# KiCad board RP2350pc_Rev_A.kicad_pcb (continued)
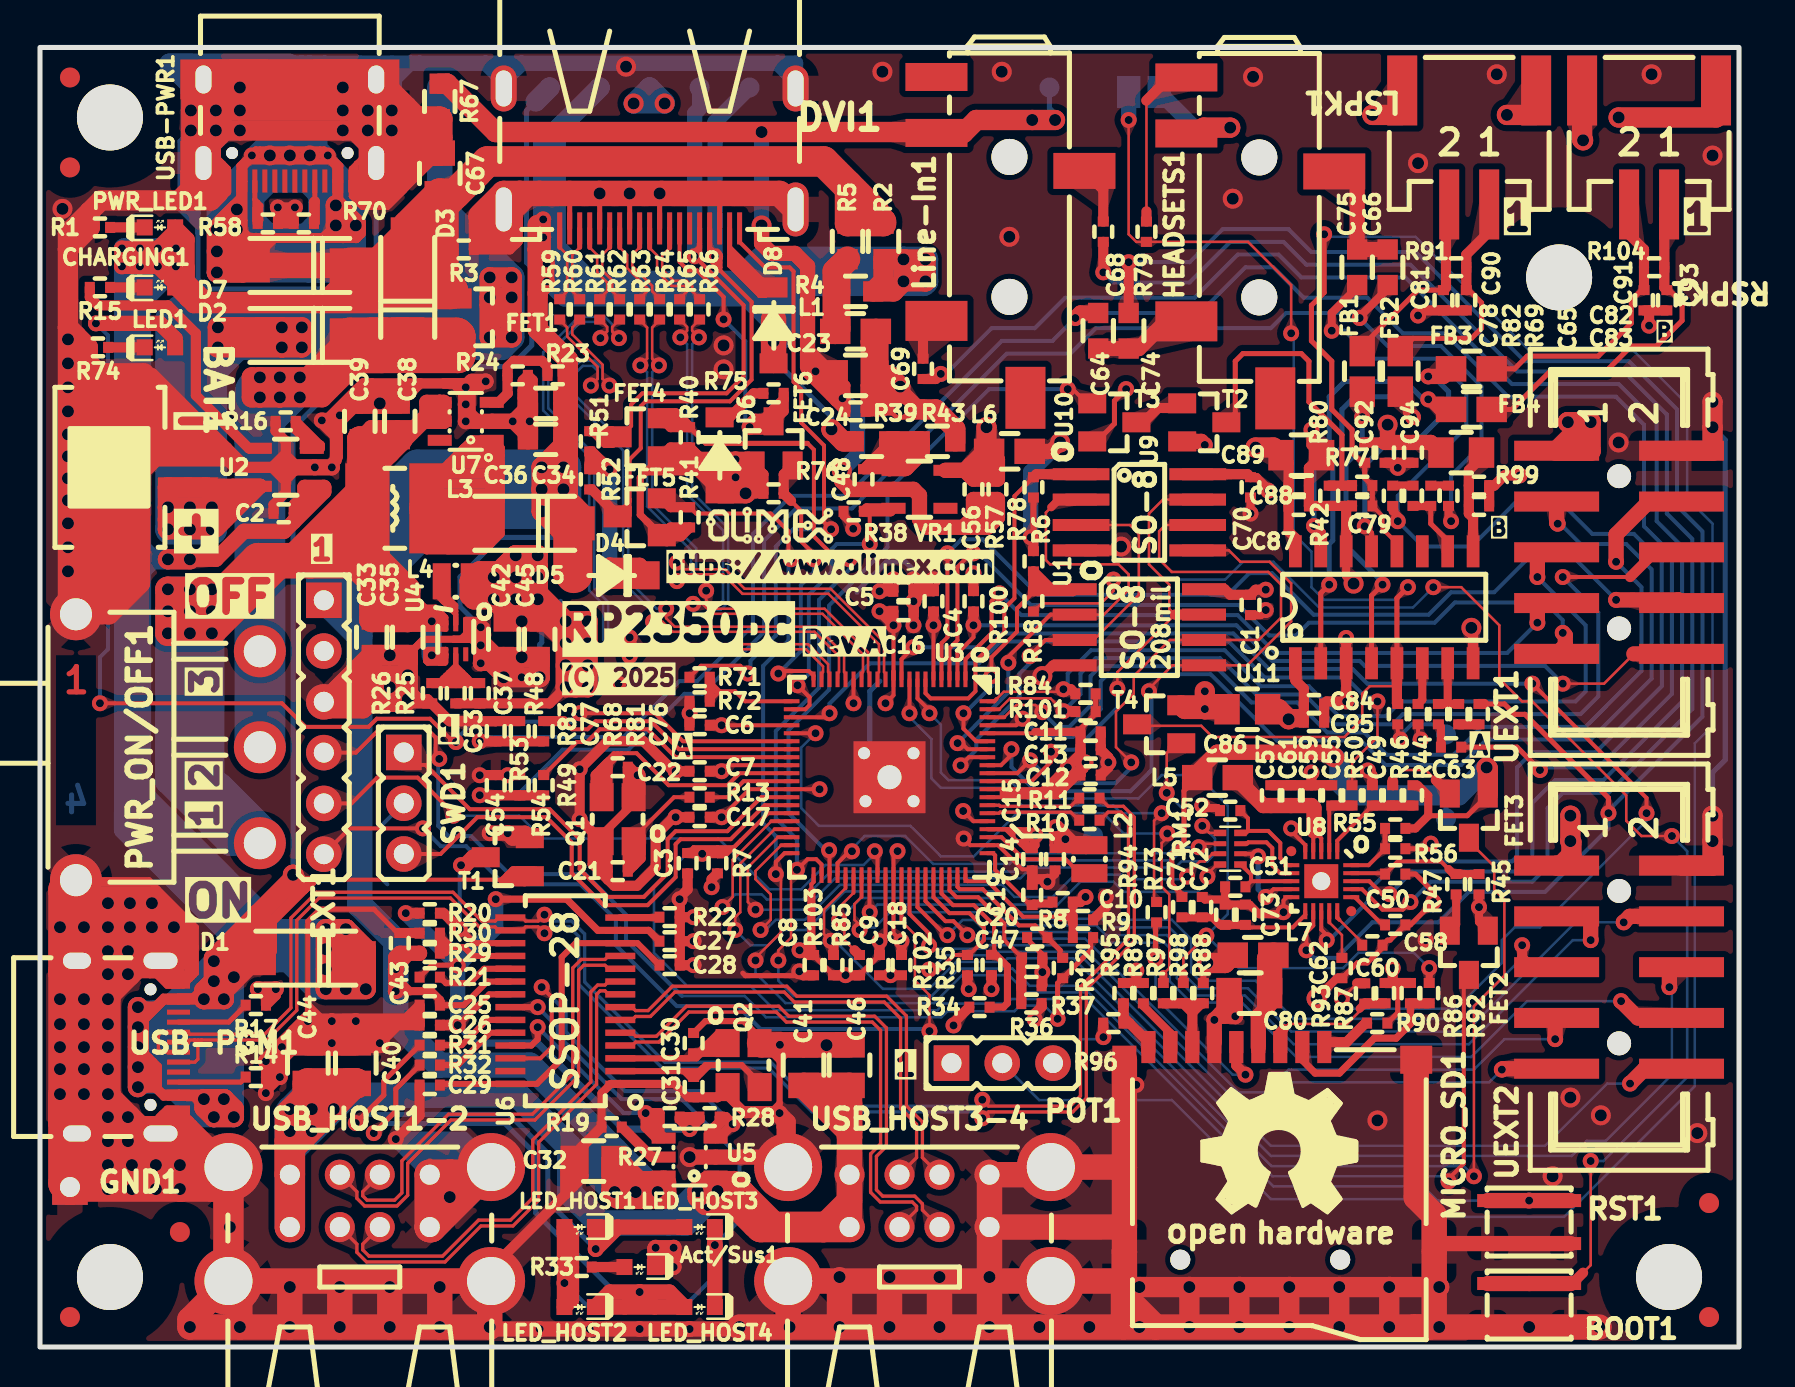
[diagram p0: board, top side]
## Nets (continued)
Net-(U8-CCLK/SCL): C49.1 R44.1 R46.1 U8.1
Net-(U8-CDATA/SDA): C50.1 R45.1 R47.1 U8.19
Net-(U8-CE/AD0): R55.1 R56.1 U8.20
Net-(U8-DACVREF): C62.1 U8.14
Net-(U8-DSDIN): RM1.3.2 U8.9
Net-(U8-DVDD): C57.1 C59.1 C61.1 L5.2 U8.3 U8.4
Net-(U8-LRCK): C51.1 RM1.4.2 U8.8
Net-(U8-MCLK): C55.1 R50.1 U8.2
Net-(U8-MIC1N): C68.2 U8.17
Net-(U8-MIC1P/DMIC_SDA): C69.2 U8.18
Net-(U8-OUTN): C75.2 C78.2 U8.13
Net-(U8-OUTP): C74.2 C76.2 U8.12
Net-(U8-SCLK/DMIC_SCL): C52.1 RM1.1.2 U8.6
Net-(U8-VMID): C58.1 U8.16
Net-(U11-+OUTL): FB1.2 U11.4
Net-(U11-+OUTR): FB3.2 U11.13
Net-(U11--OUTL): FB2.2 U11.2
Net-(U11--OUTR): FB4.2 U11.15
Net-(U11-VREF): C77.1 U11.6
Net-(VR1-VIN): C48.1 R39.2 R43.2 VR1.1

Pads without a net: DVI1 14; FID1 Fid1; FID2 Fid1; FID3 Fid1; FID4 Fid1; FID5 Fid1; FID6 Fid1; HEADSETS1 4; Line-In1 1 4; U4 6; U6 27; U7 6; U8 FID1 FID2; U11 11; USB-PGM1 A8 B8; USB-PWR1 A6 A7 A8 B6 B7 B8; VR1 4

## Via types
v1: diameter 1, hole 0.6, Top to Bottom, 285 vias
v2: diameter 0.8, hole 0.4, Top to Bottom, 326 vias

## Routing (per net, layer and track width the routed paths; a pad name or vN(x,y) marks a point on that pad's centre or on a via; arc(x,y) is an arc through that point)
+3.3V: length 242.1
  Top w0.2: 47.9,25.9 48.73,25.9 ; 47.9,25.9 48.1,25.9 ; 47.9,25.9 U3.64 48.73,25.9 ; 48.73,25.9 48.73,25.67 49.47,24.93 C14.1 ; 48.73,25.9 48.73,25.47 49.1,25.1 ; 48.1,25.9 48.3,25.9 49.1,25.1 ; 48.1,25.9 48.5,25.9 ; C14.1 49.64,24.97 49.2,25.4 ; C14.1 49.27,24.93 ; C14.1 49.4,25.17 49.4,25.9 ; 48.71,25.9 49.4,25.9 ; 48.71,25.9 48.9,25.7 ; 48.71,25.9 48.5,25.9 ; 49.4,25.9 49.5,25.9 v2(49.8,25.6) ; 49.4,25.9 49.7,25.6 ; 48.9,25.7 49.6,25.7 49.7,25.6 ; 48.9,25.7 49.05,25.55 ; U3.50 42.3,20.6 v2(42,20.3) ; 49.05,25.55 49.65,25.55 49.7,25.6 ; 49.05,25.55 49.2,25.4 ; U3.24 v2(34.1,31.1) ; 48.5,25.9 49.27,25.13 49.27,24.93 ; 49.82,24.8 49.38,24.8 49.38,24.82 49.27,24.93 ; U3.76 49.73,30.7 49.79,30.77 ; 49.7,25.6 49.5,25.4 49.2,25.4 ; U3.5 v2(44.7,36.1) ; 51.04,21.5 51.01,21.52 49.18,21.52 47.4,23.3 46.4,23.3 46.3,23.4 U3.60 ; U3.15 v2(40.7,32.2) ; 49.27,24.93 49.1,25.1 ; 48.12,27.5 50.94,27.5 C12.1 ; 48.12,27.5 48.12,27.9 ; 48.12,27.5 U3.68 ; 48.12,27.9 50.33,27.9 v2(51.42,28.99) 51.4,29.01 51.4,29.01 ; 48.12,27.9 U3.69 ; v2(34.1,28.8) 34.4,29.1 U3.29 ; 38.59,22.79 38.59,23.15 38.7,23.26 U3.41
  Top w0.254: C9.1 41,18.61 R85.1 ; C8.1 38.7,19.59 R103.2 ; v2(52.31,29.24) 52.31,28.86 C12.1 ; R84.1 R101.2 52.81,31.68 52.05,30.92 C11.1 ; 67.93,18.21 67.93,16.72 R90.1
  Top w0.305: v1(58.4,19.21) 58.2,19.01 R88.1 ; R78.1 49.7,40.64 v2(49.56,40.5)
  Top w0.356: 30.33,43.77 33.47,43.77 33.6,43.9 ; 30.33,43.77 30.48,43.92 ; 30.33,43.77 30.03,43.47 30.03,41.63 30.38,41.28 ; 33.6,43.9 33.58,43.92 30.48,43.92 ; 33.6,43.9 34.4,43.9 v2(34.8,43.5) ; R41.1 30.67,40.99 30.38,41.28 ; 30.48,43.92 FET4.1 ; 30.38,41.28 FET5.1
  Top w0.406: C11.1 49.79,30.77 ; v2(61.45,42.83) 61.45,42.93 60.88,43.51 C70.2 ; v2(38,19.84) 38.13,19.97 38.59,19.97 ; R8.1 C10.1 ; C10.1 51.54,21.5 51.04,21.5 ; C10.1 R9.1 ; 38.59,19.97 38.59,22.79 ; 38.59,19.97 38.59,19.72 C8.1 ; v2(40.68,40.93) 40.68,41.09 40.2,41.58 R38.1 ; 49.7,25.6 49.7,24.99 C14.1 49.8,25.09 v2(49.8,25.6)
  Top w0.508: 33.47,43.5 33.2,43.77 ; 33.47,43.5 v2(34.8,43.5) 36.04,43.5 36.19,43.65 ; 33.47,43.5 34,42.97 D6.2 ; R40.1 32.51,44.99 33.6,43.9 31.6,43.9 ; R40.1 32.01,44.99 31.11,44.09 ; R40.1 33.09,44.4 v2(34.8,44.4) ; R40.1 31.55,44.99 FET4.1 31.11,44.09 ; v2(46.46,17.9) 46.4,17.96 R102.2 ; v2(38,19.84) 38.14,19.84 38.38,19.61 C8.1 ; D6.2 32.8,43.9 31.6,43.9 ; D6.2 34.4,43.1 36.19,43.1 ; D6.2 R76.1 36.19,43.1 ; D6.2 35.2,42.7 ; 31.6,43.9 31.3,43.9 31.11,44.09 ; C7.1 v2(34.1,28.8) ; R25.2 C37.2 25.49,32.19 v1(26.3,33) 26.3,34.99 C45.1 ; 31.36,40.3 FET5.1 ; FET5.1 32.06,40.55 R41.1 31.55,40.99 FET5.1 ; FET5.1 31.26,40.7 ; C70.2 60.41,43.66 U9.8 ; U1.8 59.26,37.91 59.54,37.62 C1.2 60.81,37.88 v2(61.32,37.88) ; 36.19,43.1 36.19,43.65 ; 54.72,18.21 R89.1 ; 54.72,18.21 R95.1 ; 54.72,18.21 54.85,18.33 v2(54.85,18.83) ; C6.1 v2(34.1,31.1) ; 51.4,29.01 52.05,29.66 C13.1 ; R103.2 R85.1 ; v2(46.7,38.7) R100.2 ; R86.1 R87.1 67.67,18.21 v2(67.67,18.95) ; R6.1 49.7,40.36 v2(49.56,40.5) ; C12.1 51.72,28.61 50.76,27.65 50,27.65 ; C12.1 51.8,28.61 v2(51.42,28.99) 50.09,27.65 50,27.65 ; C12.1 C13.1 ; R8.1 52.05,22.26 v2(52.31,22.51) ; R7.1 33.6,23.4 v2(33.6,23) ; C13.1 C11.1 ; 50,27.65 48.37,27.65 ; C4.1 v2(44.7,36.1) ; 36.19,43.65 FET6.1 ; v2(42,20.3) C9.1 ; v2(42,37.8) 42.1,37.8 v2(42.7,38.4) 42.69,38.39 C5.1 v2(42,37.8)
  Top w0.762: D6.2 v2(34.8,43.5) ; v2(34.8,43.5) 35.16,43.5 FET6.1 35.44,44.4 v2(34.8,44.4) ; v2(34.8,43.5) v2(34.8,44.4) ; v1(51.04,45.24) 50.59,44.8 L6.1 ; v2(34.8,44.4) 31.26,44.4 FET4.1
  Top w1.016: v1(22.7,38.5) 21.7,38.5 L4.1 ; v1(22.7,38.5) v1(24.9,38.5) ; v1(22.7,38.5) 23.25,39.05 ; v1(22.7,38.5) 22.7,38 ; v1(24.9,38.5) 24.9,37.7 v1(26.3,36.3) ; v1(24.9,38.5) 24.9,38 ; v1(24.9,38.5) 24.9,39 ; v1(22.7,37.4) 21.7,37.4 21.5,37.6 L4.1 ; v1(22.7,37.4) 23.2,36.9 ; v1(22.7,37.4) v1(24.9,37.4) ; v1(22.7,37.4) 21.8,38.3 L4.1 ; v1(22.7,37.4) 22.7,38 ; D6.2 v1(35.3,42.7) ; 23.25,39.05 v1(23.8,39.6) ; 23.25,39.05 23.3,39 24.9,39 ; v1(23.8,39.6) v1(24.9,39.6) 24.9,39 ; v1(23.8,39.6) 23,38.8 22,38.8 L4.1 ; v1(24.1,36.3) v1(26.3,36.3) ; v1(24.1,36.3) 23.8,36.6 v1(23.8,38.5) ; v1(24.1,36.3) 23.8,36.3 23.2,36.9 ; v1(26.3,36.3) 26.8,35.8 26.8,33 ; v1(26.3,36.3) v1(27.4,36.3) v1(27.4,33) 26.8,33 ; v1(26.3,36.3) v1(26.3,33) 26.8,33 ; 23.2,36.9 24.39,36.9 24.9,36.39 ; 24.9,38 v1(24.9,37.4) ; 24.9,38 22.7,38 ; UEXT2.1 76.1,24.08 76.61,24.59 76.61,25.25 v1(76.56,25.31) v1(76.56,26.58) ; v1(24.9,37.4) 24.9,36.39 ; v1(24.9,37.4) 25,37.4 26.1,36.3 ; 24.9,36.39 C45.1 ; v1(58.4,19.21) 59.28,19.21 L7.1 ; v1(76.44,46.26) v1(77.58,46.26) 77.58,44.83 UEXT1.1 75.9,44.83 76.69,45.62 76.69,46.01 v1(76.44,46.26)
  In2.Cu w0.762: v2(40.7,32.2) 40.7,37.3 41.2,37.8 v2(42,37.8)
  Bottom w0.762: v1(51.04,45.24) 49.56,43.77 49.56,40.64
  Bottom w1.016: +3.3V1.1 v1(29.7,62.2) v1(31.25,62.2) 31.25,62.25 +3.3V1.1
  vias: v1(23.8,37.4) v1(26.3,35.2) v1(26.3,34.1) v1(27.4,35.2) v1(27.4,34.1) v2(40.3,18.6) v2(49,25.6)
+3.3VA: length 100.7
  Top w0.254: 69.45,26.58 71.4,26.58 72.43,27.6 FET3.1 ; L5.1 57.23,27.82 57.23,25.28 56.62,24.67 56.62,23.15 57.13,22.64 R73.1
  Top w0.406: R55.2 68.82,25.94 69.45,26.58 69.45,27.59 68.94,28.1 68.69,28.1 ; R45.2 v2(71.99,22) 71.99,21.27 FET2.1
  Top w0.762: L5.1 57.89,28.76 58.88,29.75 64.5,29.75 v1(64.75,29.5) ; 47.9,43.9 47.9,44.38 L6.2 47.2,44.8 46.53,44.13 ; 47.9,43.9 R57.1 C56.1 46.26,43.85 ; 47.9,43.9 47.85,43.85 46.53,43.85 ; 46.26,43.85 VR1.5 46.25,43.85 46.53,44.13 ; 46.26,43.85 46.53,43.85 ; 46.53,44.13 46.53,43.85
  Top w1.016: L6.2 47.35,44.93 v1(47.35,46.01) ; v1(72.37,28.99) 72.43,28.93 FET3.1
  In2.Cu w0.508: v2(71.99,22) 71.86,22.13 71.86,28.48 v1(72.37,28.99)
  In2.Cu w1.016: v1(72.37,28.99) 72.37,34.83 73.51,35.97 73.51,42.32 70.85,44.99 70.85,49.05 70.09,49.82 68.82,49.82 67.04,48.04 56.12,48.04 55.01,49.15 50.49,49.15 v1(47.35,46.01)
  Bottom w0.254: 70.47,27.59 70.34,27.46 +3.3VA1.1
  Bottom w1.016: v1(72.37,28.99) 70.97,27.59 65.64,27.59 65.01,28.23 65.01,29.24 v1(64.75,29.5)
+5V: length 304.4
  Top w0.305: C25.1 21.2,17.1 22.38,18.28 U6.20
  Top w0.406: 17.8,18.6 17.8,18.5 18.5,17.8 ; 18.5,17.8 19.57,17.8 20.01,17.36 C25.1 ; 18.5,17.8 v2(17.8,17.8)
  Top w0.508: U5.6 29.55,8.55 v1(28.75,7.75) ; U5.6 29.47,8.55 C32.1 29.3,9.3 30.05,8.55 U5.6 ; U5.6 31.2,8.05 v1(30.9,7.75) ; 18.7,19.7 18.01,19.7 C43.2 18,19.1 v2(17.8,18.9) 18.6,19.7 18.7,19.7 ; 18.7,19.7 R29.2 ; 26.41,48.38 26.16,48.14 ; 26.16,48.14 26.16,49.63 26.1,49.7 26.41,49.38 ; 26.16,48.14 25.93,47.9 25.93,47.46 26.19,47.2 ; R23.1 26.41,47.42
  Top w0.762: v2(25.35,54.2) 25.17,54.38 v2(25.17,56.4) 24.9,56.13 ; v2(25.35,54.2) v2(25.35,53.3) 25.35,53.15 24.9,52.7 25.3,53.1 ; v2(25.35,54.2) 25.35,54.45 24.9,54.9 25.3,54.5 ; v2(17.8,17.8) v2(17.8,18.9) 17.8,19.49 C43.2 18.98,19.69 R29.2
  Top w1.016: v1(25.1,42.9) v1(26.19,42.9) 26.19,42.61 27.1,41.7 ; v1(25.1,42.9) 25.1,42.91 v1(26.19,44) v1(25.1,44) ; v1(25.1,42.9) v1(25.1,41.8) 26.7,40.2 ; v1(25.1,42.9) 26.62,41.38 D4.1 26.7,41.12 26.7,40.2 ; v1(25.1,42.9) v1(25.1,44) ; v1(43.2,53.3) v1(44.3,54.4) ; v1(43.2,53.3) v1(44.3,53.3) v1(44.3,54.4) ; v1(43.2,53.3) v1(43.2,54.4) ; v1(43.2,53.3) 42.7,52.8 41.69,52.8 42.2,53.31 R2.2 43.19,54.41 v1(43.2,54.4) ; v1(44.3,54.4) v1(43.2,54.4) ; 26.19,45.4 26.19,42.6 ; 26.19,45.4 26.19,45.09 v1(25.1,44) ; 26.19,45.4 26.19,47.2 26.41,47.42 ; 26.19,42.6 26.19,38.6 D5.2 26.7,40.2 ; 26.19,42.6 26.75,42.04 D4.1 26.19,41.76 26.19,42.6 ; 24.9,56.13 24.9,50.89 25.4,50.4 ; 25.4,50.4 26.41,49.38 ; 25.4,50.4 26.1,49.7 ; 26.41,49.38 26.41,47.42 ; 26.41,49.38 R23.1 ; 26.41,47.42 26.41,42.38 ; v1(39.6,45.9) 39.6,45.89 40.19,45.3 40.71,45.3
  Top w1.27: 31.2,8.2 31.2,7.54 28.96,7.54 v1(28.75,7.75) ; 36.7,49.35 v1(36.7,50.3) v1(36.7,51.4) ; v1(28.75,7.75) 28.72,7.78 C32.1 ; v1(28.75,7.75) v1(30.9,7.75) ; 29.05,7.75 31.2,7.75
  Top w1.778: D4.1 26.75,38.65 D5.2
  Bottom w0.254: v1(39.6,45.9) 39.6,46.52 36.7,49.42 v1(36.7,50.3)
  Bottom w0.762: +5V1.1 25.35,60.35 v2(25.35,54.2) ; v2(25.35,54.2) v2(25.35,53.3) 26.22,52.42 35.68,52.42 ; v2(25.35,54.2) 26.35,53.2 26.75,53.2
  Bottom w1.016: v2(25.17,55.5) v2(25.17,56.4) 25.17,55.63 25.8,55 ; 25.8,53.2 25.8,55 ; 25.8,55 27.6,53.2 27.8,53.2 ; 25.8,55 25.8,60.8 26.15,61.15 ; 25.8,55 25.8,54.15 26.75,53.2 ; 25.8,54.07 25.17,54.7 25.17,60.17 +5V1.1
  Bottom w1.27: 25.8,53.2 34.9,53.2 ; 38.9,53.2 41.5,53.2 ; 38.9,53.2 36.8,53.2 ; 38.9,53.2 38.5,53.2 37.85,52.55 ; 41.5,53.2 42,53.2 v1(43.2,54.4) ; 41.5,53.2 43.1,53.2 ; 37.85,52.55 37.85,51.36 36.79,50.3 v1(36.7,50.3) v1(36.7,51.4) ; 37.85,52.55 v1(36.7,51.4) ; 34.9,53.2 v1(36.7,51.4) ; 34.9,53.2 36.8,53.2 ; 34.9,53.2 36.1,54.4 v1(43.2,54.4) ; v1(44.3,53.3) v1(43.2,53.3) ; v1(44.3,53.3) v1(44.3,54.4) v1(43.2,54.4) ; v1(44.3,53.3) 44.2,53.2 43.1,53.2 ; v1(43.2,53.3) 43.1,53.2 ; v1(43.2,53.3) v1(43.2,54.4) ; v1(36.7,51.4) 36.7,53.1 36.8,53.2 ; v1(28.75,7.75) v1(30.9,7.75) 30.85,7.75 28.75,9.85 ; v1(28.75,7.75) 28.75,9.85 ; v1(28.75,7.75) 28,8.5 28,10.6 ; 16,35.55 16,22.1 17.8,20.3 v2(17.8,18.9) v2(17.8,17.8) 17.8,16.26 19.96,14.1 24.5,14.1 28,10.6 ; 16,35.55 16,37.7 16.25,37.95 ; 16,35.55 EXT1.1 ; 28,10.6 28.75,9.85
  Bottom w1.778: 20.8,41.8 v1(25.1,41.8) 26.2,41.8 26.19,41.81 v1(26.19,44) 20.85,44 ; 20.8,41.8 18.65,41.8 18.62,41.78 ; 20.8,41.8 20.1,41.8 15.65,37.35 EXT1.1 ; 20.85,44 18.9,44 14.2,39.3 EXT1.1 ; 20.85,44 19.75,42.9 ; EXT1.1 18.62,41.78 ; 19.75,42.9 v1(26.19,42.9) ; 19.75,42.9 18.62,41.78
  vias: v1(29.8,7.75)
+5V_USB: length 584.6
  Top w0.305: 14.21,59.9 10.79,59.9 ; 14.21,59.9 14.56,59.56 ; 14.21,59.9 15.03,59.09 ; 15.03,59.09 14.56,59.56 ; 15.03,59.09 USB-PWR1.A4 15.03,56.33 v1(14.8,56.1) 14.78,56.12 USB-PWR1.B9 14.78,59.03 14.5,59.3 10.5,59.3 10.22,59.03 USB-PWR1.B4 10.22,56.35 ; 14.56,59.56 14.51,59.6 10.49,59.6 ; USB-PWR1.A9 9.97,59.09 ; USB-PWR1.A9 9.97,54.62 D7.2 10.22,54.38 10.22,56.35 ; USB-PWR1.A9 9.97,57.53 8.85,56.4 v1(8.85,55.9) ; 9.97,59.09 10.79,59.9 ; 9.97,59.09 10.49,59.6 ; 10.79,59.9 10.49,59.6 ; 10.8,55.47 10.57,55.47 10.29,55.75 10.22,55.69 10.22,56.35
  Top w0.508: 16.05,55.85 16.05,56.26 15,57.31 ; 16.05,55.85 16.05,55.7 15.82,55.47 15.8,55.47 ; 16.05,55.85 v1(15.8,56.1) ; v2(45.7,16.08) 45.7,16.21 R34.1 ; 13.6,42.6 C2.1 ; 13.6,42.6 U2.4 12.7,42.15 C2.1 ; 13.6,42.6 13.6,42.18 ; 20.77,57.68 20.69,57.6 R3.1 20.69,52.95 20.54,52.8 ; 15.8,55.47 v1(15.8,56.1) ; 15.8,55.47 15.17,55.47 ; v1(15.8,56.1) 15.17,55.47 ; 11.7,55.47 14.17,55.47 ; 11.7,55.47 10.63,54.4 D7.2 10.63,54.9 11.2,55.47 ; 11.7,55.47 11.2,55.47 ; 14.17,55.47 v1(14.8,56.1) ; 14.17,55.47 15.17,55.47 ; 11.2,55.47 10.28,55.47 v1(9.85,55.9) ; 13.6,42.18 12.7,41.28 C2.1 ; 13.6,42.18 14.2,42.78
  Top w0.762: PWR_LED1.2 6.76,55.81 v2(5.9,54.95) ; PWR_LED1.2 7.36,55.4 7.36,54 ; PWR_LED1.2 6.76,54.55 ; 5.5,54.3 5.75,54.05 v2(5.9,54.05) ; 5.5,54.3 5.65,54.3 v2(5.9,54.05) ; 5.5,54.3 5.5,54.55 v2(5.9,54.95) ; 16.8,52.4 17.3,52.4 16.99,52.09 7.67,52.09 7.36,52.4 ; 16.8,52.4 17.9,52.4 18.3,52.8 ; 16.8,52.4 14.8,52.4 ; 4.1,54.5 v2(4.1,54.05) v2(6.8,54.05) v2(5.9,54.05) ; 4.1,54.5 v2(4.1,54.95) v2(6.8,54.95) 6.8,54.5 4.1,54.5 ; 13.25,42.2 13.25,43 14.2,43 14.2,42.78 12.22,40.8 10.2,40.8 8.8,39.4 v1(7.5,39.4) ; 7.36,52.4 7.36,53.35 ; 7.36,52.4 8.3,52.4 ; 7.36,52.4 CHARGING1.2 ; 14.2,52.4 14.8,52.4 ; 14.2,52.4 14.85,53.05 ; 14.2,52.4 8.3,52.4 ; 14.8,52.4 15.2,52.8 18.3,52.8 ; 7.36,53.35 7.36,54 ; 7.36,53.35 7.36,53.19 8.15,52.4 8.3,52.4 ; 18.3,52.8 18.05,53.05 14.85,53.05 ; v2(5.9,54.05) 6.76,53.19 CHARGING1.2 ; v2(5.9,54.05) v2(5.9,54.95) ; v2(5.9,54.05) 6.4,54.55 6.76,54.55 ; 14.85,53.05 15.37,53.57 D7.1 ; 7.36,54 7.36,53.34 8.3,52.4 ; 6.76,54.55 CHARGING1.2
  Top w1.016: D7.2 10.5,54.25 v1(8.85,55.9) ; D7.2 9.55,54.1 v1(8.85,54.8) ; D7.2 10.5,54.88 9.97,55.4 ; D7.2 10.15,53.75 v1(8.85,53.75) v1(8.85,55.9) ; v1(16.3,17.9) v1(14.3,17.9) v1(14.3,20.9) v1(15.3,20.9) ; v1(8.85,55.9) v1(9.85,56.9) ; v1(8.85,55.9) v1(9.85,55.9) ; D1.1 15.3,18.95 15.3,18.1 16.3,18.1 16.3,18.5 ; D1.1 D1.1 15.3,19.82 v1(15.3,20.9) ; D1.1 16.3,18.95 16.3,18.5 ; 16.3,18.5 16.3,19.9 v1(15.3,20.9) ; v1(6.4,39.4) v1(7.5,39.4) ; 20.54,52.8 FET1.1 ; v1(14.8,56.1) v1(14.8,57.1) v1(15.8,56.1) v1(14.8,56.1)
  Top w1.27: D7.1 D7.2 ; 40.4,58.1 R5.1 R2.1 42.2,56.3 41.75,56.75
  Top w1.524: 20,57.1 C67.2 ; C67.2 20,53.34 ; C67.2 20.77,57.68 21.84,58.76 ; C67.2 18.4,56.08 D3.2 ; 21.84,58.76 19.39,56.3 19.2,56.3 ; 21.84,58.76 22.39,59.3 39.2,59.3 41.75,56.75
  Top w1.778: 19.2,52.8 18.3,52.8 17,54.1 ; 19.2,52.8 20.54,52.8 18.4,54.95 D3.2 ; 19.2,52.8 16.6,52.8 ; D7.1 17,54.1 ; 17,54.1 D3.2 20,57.1
  In2.Cu w0.508: v2(45.7,16.08) 44.99,16.8 27.29,16.8 25.38,14.89 24.49,14.89 23.6,15.78 23.6,18.7 22.31,20 17.5,20 ; 17.5,20 17.2,20 16.3,19.1 ; 17.5,20 14.4,20 v1(14.3,19.9)
  In2.Cu w1.016: v1(15.3,20.9) v1(14.3,20.9) v1(14.3,17.9) v1(16.3,17.9) 16.3,19.9 v1(15.3,20.9) ; v1(15.3,20.9) v1(15.3,17.9)
  Bottom w0.762: 8.85,55.65 v1(8.85,55.9) ; v1(9.85,56.9) 10.6,57.65 v2(10.6,59.6) 13.75,62.75 +5V_USB1.1 ; 13.75,60.85 13.75,60.25 v2(14.4,59.6) 14.4,59.21 14.8,58.81
  Bottom w1.016: v1(15.8,56.1) v1(14.8,57.1) 14.8,58.25 ; v1(15.8,56.1) 15.8,55.05 ; v1(15.8,56.1) 14.1,54.4 ; v1(15.8,56.1) v1(14.8,56.1) ; v1(15.8,56.1) 15.8,57.81 14.8,58.81 ; 15.8,55.05 15.8,54.25 15.3,53.75 13.95,53.75 ; 15.8,55.05 14.5,53.75 13.95,53.75 ; 13,19.25 14.15,18.1 14.7,18.1 ; 13,19.25 13.55,19.25 ; 13,19.25 12.4,19.25 ; 13,19.25 11.35,20.9 ; 13.95,53.75 13.45,53.75 ; 10.2,20.9 11.2,20.9 ; 10.2,20.9 11.85,19.25 ; 10.2,20.9 5.05,26.05 ; 11.2,20.9 11.35,20.9 ; 11.2,20.9 11.9,20.9 ; 10.71,57.49 10.47,57.25 ; 10.71,57.49 11.47,58.25 11.75,58.25 ; 10.71,57.49 10.71,55.94 ; 10.47,57.25 10.47,56.38 11.45,55.4 ; 10.47,57.25 10.47,56.17 11.25,55.4 ; 10.47,57.25 10.47,57.53 ; 10.47,57.25 10.47,56.65 11.45,55.67 ; 10.47,57.53 11.2,58.25 ; 10.47,57.53 v1(9.85,56.9) ; 11.2,58.25 9.64,58.25 8.85,57.46 ; 11.2,58.25 13.65,58.25 14.08,57.83 14.08,57.5 ; 11.2,58.25 11.75,58.25 ; v1(15.3,20.9) 15.55,20.65 12.85,20.65 ; v1(15.3,20.9) 16.3,19.9 16.3,19.8 ; v1(15.3,20.9) 13.1,20.9 12.85,20.65 ; v1(15.3,20.9) 14.1,20.9 ; 11.25,55.4 11.45,55.4 ; 11.25,55.4 10.71,55.94 ; 11.25,55.4 10.35,55.4 v1(9.85,55.9) ; 11.45,55.4 13,55.4 ; 5.05,52.3 v2(6.8,54.05) v2(6.8,54.95) ; 5.05,52.3 5.05,52.35 6.8,54.1 ; 5.05,52.3 5.05,53.25 ; 5.05,52.3 5.05,39.95 ; v1(9.85,55.9) 9.85,58.15 9.7,58.3 ; v1(9.85,55.9) v1(8.85,55.9) ; 13,55.4 14.08,56.47 14.08,56.9 ; 13,55.4 13.25,55.4 ; v2(6.8,54.95) v2(5.9,54.95) 5.05,54.1 ; v2(6.8,54.95) 6.75,54.95 5.05,53.25 ; v2(6.8,54.95) v2(5,54.95) 4.21,54.95 4.21,53.26 ; 13.45,53.75 14.1,54.4 ; 13.45,53.75 9.75,53.75 ; 14.1,54.4 11.25,54.4 ; 4.21,25.89 10.85,19.25 11.85,19.25 ; 4.21,25.89 5.2,24.9 4.51,25.59 4.51,53.56 ; 4.21,25.89 4.21,26.7 4.4,26.7 5.05,26.05 ; 4.21,25.89 4.21,53.26 ; 11.45,55.67 13.53,55.67 ; 11.45,55.67 10.97,55.67 10.71,55.94 ; 13.53,55.67 13.25,55.4 ; 13.53,55.67 13.92,56.08 ; 8.85,57.46 v1(8.85,53.75) ; 8.85,57.46 9.7,58.3 ; 5.05,38 5.05,38.85 5.6,39.4 ; 5.05,38 5.05,28.2 ; 5.05,38 5.05,39.95 ; 13,19.8 12.5,20.3 ; 13,19.8 13.55,19.25 ; 13,19.8 16.3,19.8 ; 12.5,20.3 12.85,20.65 ; 12.5,20.3 11.9,20.9 ; 10.45,59.05 10.99,59.6 v1(13.5,59.6) 14.01,59.6 14.8,58.81 ; 10.45,59.05 9.7,58.3 ; 10.45,59.05 14,59.05 14.8,58.25 ; 4.51,53.56 4.21,53.26 ; 4.51,53.56 5.05,54.1 ; v1(16.3,17.9) v1(14.3,17.9) 13.75,17.9 12.4,19.25 ; 12.4,19.25 11.85,19.25 ; v1(7.5,39.4) v1(6.4,39.4) 5.6,39.4 ; 13.92,56.08 13.92,57.65 13.79,57.79 ; 13.92,56.08 14.08,56.22 14.08,56.9 ; 11.25,54.4 9.5,54.4 v1(8.85,53.75) ; 11.25,54.4 9.85,55.8 v1(9.85,56.9) ; 16.3,19 16.3,19.8 ; 16.3,19 16.3,18.1 14.7,18.1 ; 16.3,19 13.8,19 13.55,19.25 ; 5.05,28.2 5.05,27.75 11.9,20.9 ; 5.05,28.2 5.05,27.2 11.35,20.9 ; 5.05,28.2 5.05,26.05 ; v1(8.85,53.75) 9.75,53.75 ; v1(9.85,56.9) 9.85,53.85 9.75,53.75 ; 11.75,58.25 13.33,58.25 13.79,57.79 ; v1(14.8,56.1) 14.1,55.4 ; v1(14.8,56.1) 14.8,58.81 ; 5.05,53.25 5.05,54.1 ; 13.55,19.25 14.7,18.1 ; 5.6,39.4 5.05,39.95 ; 14.08,56.9 14.08,57.5 ; 14.8,58.81 14.8,58.25 ; 13.79,57.79 14.08,57.5 ; 13.25,55.4 14.1,55.4 ; 14.1,55.4 13.5,54.8 v1(8.85,54.8) ; 14.1,20.9 11.9,20.9 ; 14.1,20.9 11.9,20.9
  Bottom w1.27: 13.75,62.18 10.54,58.96 ; 13.75,62.18 13.75,60.85 v1(12.5,59.6) ; 13.75,62.18 +5V_USB1.1 13.75,59.68 14.71,58.72
  vias: v1(11.5,59.6) v1(14.3,18.9) v2(5,54.05)
